# Altium PCB AL115v20_pcb.PcbDoc (part 1 of 2) (continued)
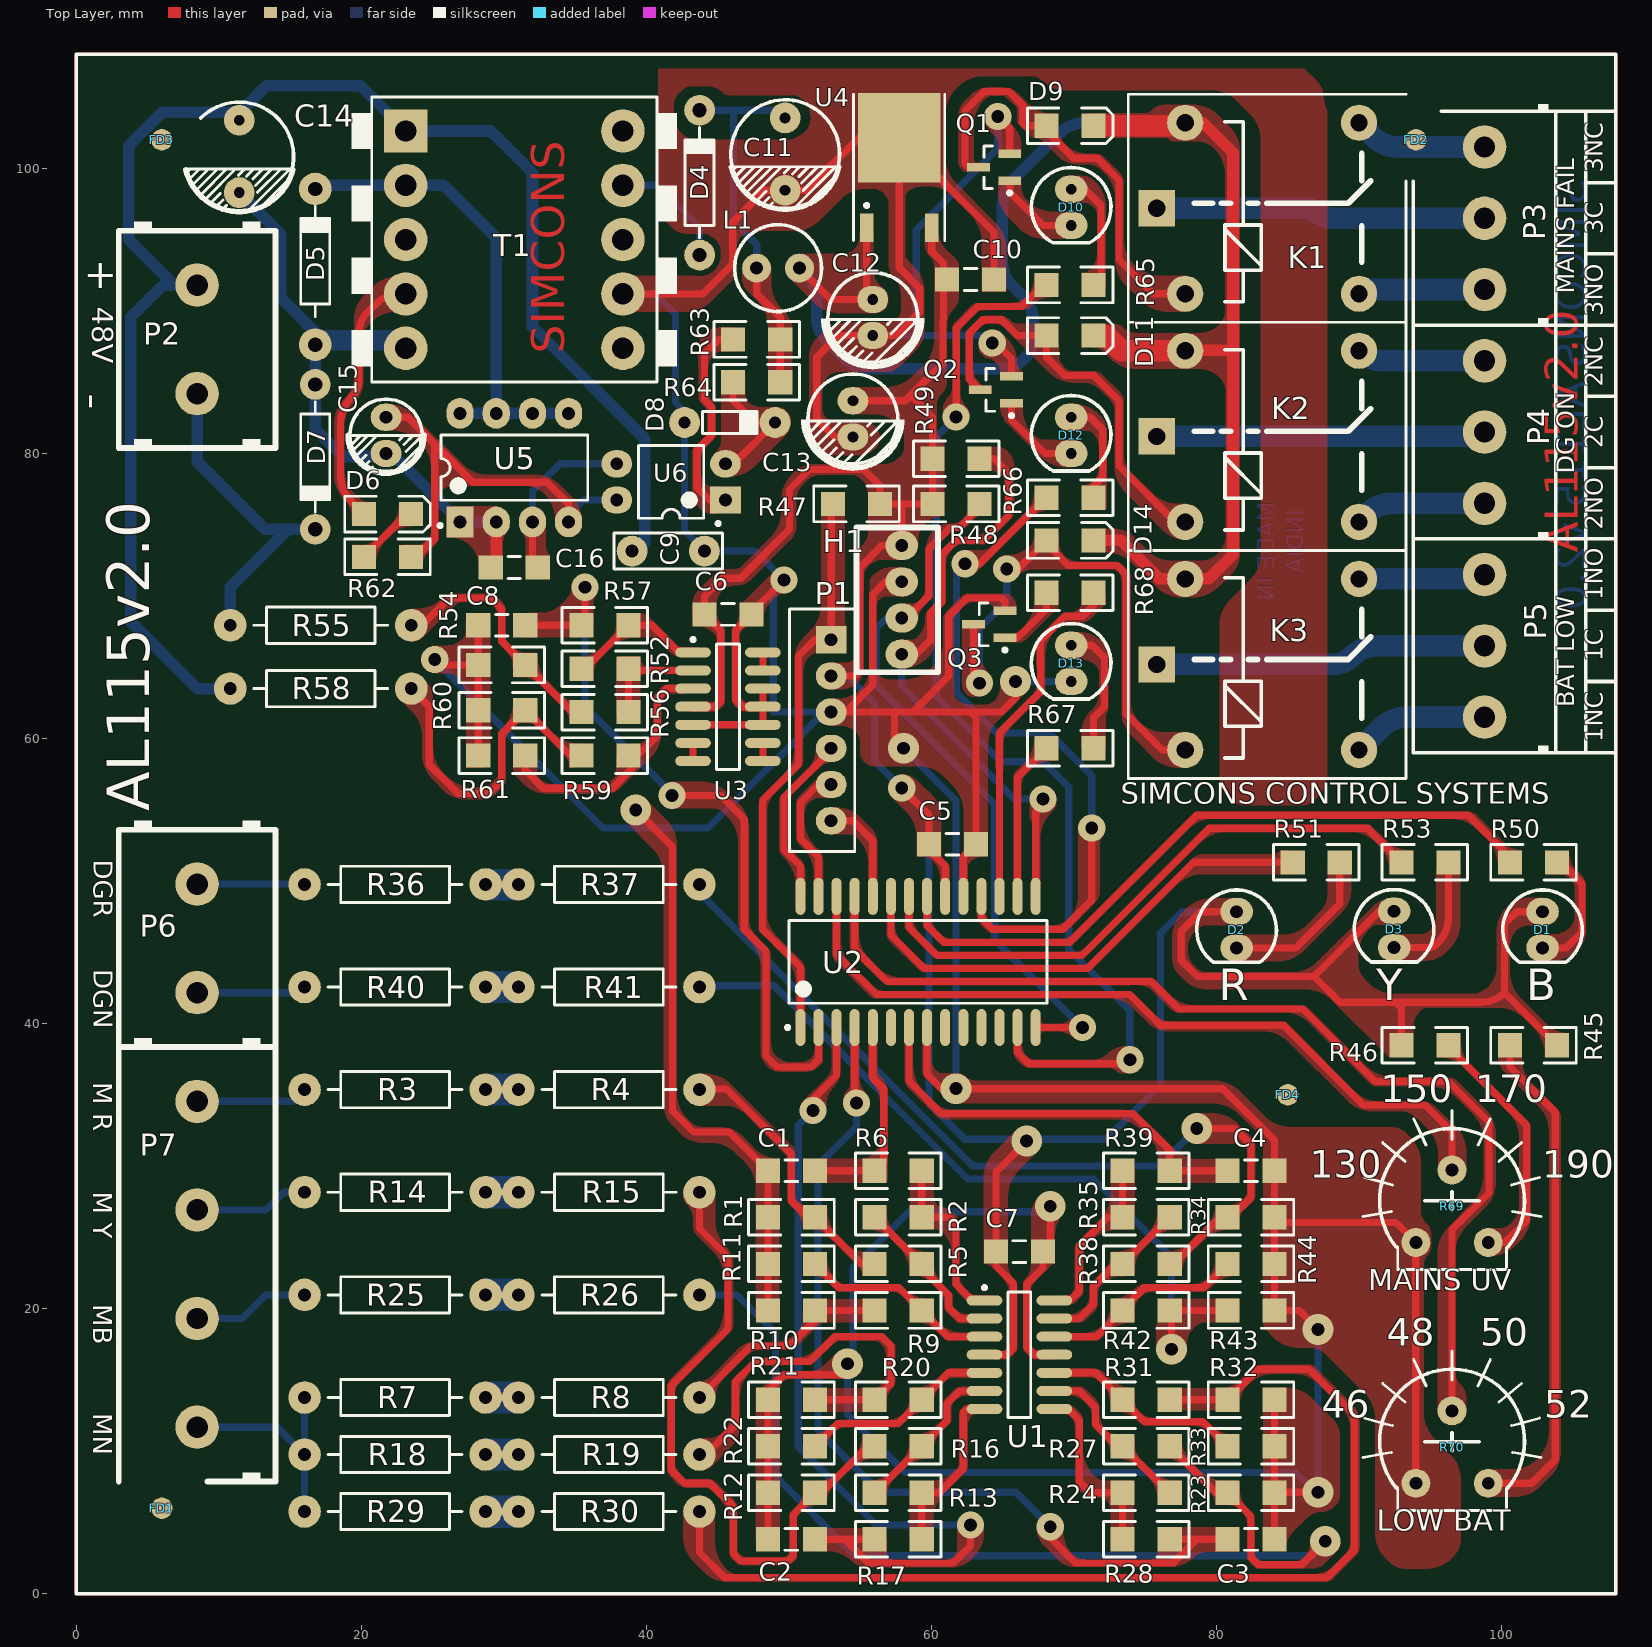
[diagram p0: Top Layer view]
## Footprints (in the part's own frame and the unit in brackets; to place one, negate y for a bottom-side part, rotate by r counter-clockwise, add the part's x,y. Pads: shape width x height; smd on the part's side, far side on the other; paste and mask are expansions set on the pad) (continued)
RELAY [mm] "SPDT RELAY"
  rect 2.54x2.54 hole 1.2: 1(-2,6)
  round 2.54 hole 1.2: 2(12.2,12) 3(12.2,0) 4(0,12) 5(0,0)
  silkscreen extent -4,-2 15.5,14, body extent -3.81,-1.7 15.19,13.8, height 15.53
SOIC14_M [mm] "SOIC, 14-Leads, Body 8.7x3.9mm, Pitch 1.27mm, IPC Low Density"
  oval 2.5x0.7 smd: 1(-2.45,3.81) 2(-2.45,2.54) 3(-2.45,1.27) 4(-2.45,0) 5(-2.45,-1.27) 6(-2.45,-2.54) 7(-2.45,-3.81) 8(2.45,-3.81) 9(2.45,-2.54) 10(2.45,-1.27) 11(2.45,0) 12(2.45,1.27) 13(2.45,2.54) 14(2.45,3.81)
  silkscreen extent -2.57,-4.4 0.8,4.83, body extent -2.92,-4.28 2.88,4.27, height 1.75
SOIC-SO28_M [mm] "SOIC, 28-Leads, Body 17.9x7.5mm, Pitch 1.27mm, IPC Low Density"
  oval 2.6x0.7 smd: 1(-4.6,8.255) 2(-4.6,6.985) 3(-4.6,5.715) 4(-4.6,4.445) 5(-4.6,3.175) 6(-4.6,1.905) 7(-4.6,0.635) 8(-4.6,-0.635) 9(-4.6,-1.905) 10(-4.6,-3.175) 11(-4.6,-4.445) 12(-4.6,-5.715) 13(-4.6,-6.985) 14(-4.6,-8.255) 15(4.6,-8.255) 16(4.6,-6.985) 17(4.6,-5.715) 18(4.6,-4.445) 19(4.6,-3.175) 20(4.6,-1.905) 21(4.6,-0.635) 22(4.6,0.635) 23(4.6,1.905) 24(4.6,3.175) 25(4.6,4.445) 26(4.6,5.715) 27(4.6,6.985) 28(4.6,8.255)
  silkscreen extent -4.72,-9.05 2.9,9.28, body extent -5.15,-8.95 5.15,8.95, height 2.65
SOT23_M [mm] "SOT23, 3-Leads, Body 2.9x1.3mm, Pitch 0.95mm, Lead Span 2.3mm, IPC Low Density"
  rect 1.6x0.6 smd: 1(-1.1,0.95) 2(-1.1,-0.95) 3(1.1,0)
  silkscreen extent -1.23,-1.5 0.7,1.92, body extent -1.25,-1.5 1.25,1.5, height 1.09
TO252AA [mm] "PowerFLEX (D-PAK/TO-252-AA); 3 Leads (1 Cropped); Body 9.7 (inc. leads) x 6.2 mm (LxW max)"
  rect 0.95x2 smd: 1(-2.285,-3.15) 3(2.285,-3.15)
  rect 5.8x6.3 smd: 4(0,3.15)
  silkscreen extent -3.2,-4.05 3.2,6.2, body extent -3.3,-3.58 3.28,6.12, height 2.3
XY128_5.08_3PIN [mil]
  round 120 hole 59.06: 1(-196.85,0) 2(0,0) 3(196.85,0)
  silkscreen extent -315,-161 295,197, body extent -301,-187 321,187, height 595
XY7501_7.62_2PIN [mil] "2 pin xy connector 440V"
  round 120 hole 59.06: 1(0,150) 2(0,-150)
  silkscreen extent -217,-325 217,300, body extent -223,-323 218,299, height 725
XY7501_7.62_4PIN [mil] "2 pin xy connector 440V"
  round 120 hole 59.06: 1(0,150) 2(0,-150) 3(0,-450) 4(0,-750)
  silkscreen extent -217,-925 217,300, body extent -223,-923 218,299, height 725

## Part data
C1 C2 C3 C4 C11 C12 C13 C14 C15: library part "Cap Pol1", "Polarized Capacitor (Radial)", LatestRevisionDate=17-Jul-2002, LatestRevisionNote="Re-released for DXP Platform.", PackageDescription="Polarized Capacitor (Radial); 2 Leads", PackageReference=RB7.6-15, Published=8-Jun-2000, Publisher="Altium Limited"
C5 C6 C7 C8 C9 C10 C16: library part Cap, "Capacitor", LatestRevisionDate=17-Jul-2002, LatestRevisionNote="Re-released for DXP Platform.", PackageDescription="Radial Cap, Thru-Hole; 2 Leads; 0.3 in Pin Spacing", PackageReference=RAD-0.3, Published=8-Jun-2000, Publisher="Altium Limited"
D1 D2 D3 D10 D12 D13: library part LED1, "Typical RED GaAs LED", LatestRevisionDate=08-Jul-2005, LatestRevisionNote="Mech Layer 1 removed.", PackageDescription="LED; 2 Leads", PackageReference=LED-1, Published=8-Jun-2000, Publisher="Altium Limited"
D4 D5 D6 D7 D9 D11 D14: library part Diode, "Default Diode", Code_JEDEC=DO-214-AB, LatestRevisionDate=17-Jul-2002, LatestRevisionNote="Re-released for DXP Platform.", PackageDescription="DO-214-AB/SMC; 2 C-Bend Leads; Body 7.9 x 5.9 mm, inc. leads (LxW)", PackageReference=SMC, PackageVersion=Sep-1996, Published=8-Jun-2000, Publisher="Altium Limited"
D8: library part "D Zener", "Zener Diode", LatestRevisionDate=17-Jul-2002, LatestRevisionNote="Re-released for DXP Platform.", PackageDescription="Diode, Thru-Hole; 2 Leads; 0.7 in Pin Spacing", PackageReference=DIODE-0.7, Published=8-Jun-2000, Publisher="Altium Limited"
FD1 FD2 FD3 FD4: library part "FIDUCIAL ROUND", "Fiducial - Round 1.5mm Top-Bottom", Category=Graphic-PCB, Status=Unreleased
H1: "Header, 4-Pin", LatestRevisionDate=17-Jul-2002, LatestRevisionNote="Re-released for DXP Platform.", Publisher="Altium Limited"
K1 K2 K3: "SPDT Relay", LatestRevisionDate=17-Jul-2002, LatestRevisionNote="Re-released for DXP Platform.", PackageReference=MODULE5B, Published=8-Jun-2000, Publisher="Altium Limited"
L1: library part Inductor, "Inductor", Code_IEC=1005, Code_JEITA=0402, LatestRevisionDate=29-May-2009, LatestRevisionNote="IPC-7351 Footprint Added.", PackageDescription="Chip Inductor", PackageReference=0402-A, Published=8-Jun-2000, Publisher="Altium Limited"
P1: library part "Header 6", "Header, 6-Pin", LatestRevisionDate=17-Jul-2002, LatestRevisionNote="Re-released for DXP Platform.", Publisher="Altium Limited"
P2 P6: library part "Header 2", "Header, 2-Pin", LatestRevisionDate=17-Jul-2002, LatestRevisionNote="Re-released for DXP Platform.", Publisher="Altium Limited"
P3 P4 P5: library part "Header 3", "Header, 3-Pin", LatestRevisionDate=17-Jul-2002, LatestRevisionNote="Re-released for DXP Platform.", Publisher="Altium Limited"
P7: library part "Header 4", "Header, 4-Pin", LatestRevisionDate=17-Jul-2002, LatestRevisionNote="Re-released for DXP Platform.", Publisher="Altium Limited"
Q1 Q2 Q3: library part BC847, "NPN General-purpose Transistor", ComponentLink1Description="Manufacturer Link", ComponentLink1URL=http://www.semiconductors.philips.com/, ComponentLink2Description=Datasheet, ComponentLink2URL=http://www.semiconductors.philips.com/acrobat/datasheets/BC846_BC847_BC848_5.pdf, DatasheetVersion=4-Feb-2002, LatestRevisionDate=12-Dec-2006, LatestRevisionNote="IPC-7351 Footprint Added.", PackageDescription="3-Pin SOT-23 Package 0.95 mm Pitch, 2.3 mm Lead Span", PackageReference=SOT23, PackageVersion=May-1999, Published=17-Sep-2003, Publisher="Altium Limited"
R1 R2 R3 R4 R5 R6 R7 R8 R9 R10 R11 R12 R13 R14 R15 R16 R17 R18 R19 R20 R21 R22 R23 R24 R25 R26 R27 R28 R29 R30 R31 R32 R33 R34 R35 R36 R37 R38 R39 R40 R41 R42 R43 R44 R47 R48 R49 R52 R54 R55 R56 R57 R58 R59 R60 R61 R62 R65 R66 R67 R68: library part "Res Semi", "Semiconductor Resistor", LatestRevisionDate=17-Jul-2002, LatestRevisionNote="Re-released for DXP Platform.", PackageDescription="Axial Device, Thru-Hole; 2 Leads; 0.5 in Pin Spacing", PackageReference=AXIAL-0.5, Published=8-Jun-2000, Publisher="Altium Limited"
R45 R46: library part "Res SMT", "Semiconductor Resistor", LatestRevisionDate=17-Jul-2002, LatestRevisionNote="Re-released for DXP Platform.", PackageDescription="Axial Device, Thru-Hole; 2 Leads; 0.5 in Pin Spacing", PackageReference=AXIAL-0.5, Published=8-Jun-2000, Publisher="Altium Limited"
R50 R51 R53: library part "Res .4", "Semiconductor Resistor", LatestRevisionDate=17-Jul-2002, LatestRevisionNote="Re-released for DXP Platform.", PackageDescription="Axial Device, Thru-Hole; 2 Leads; 0.5 in Pin Spacing", PackageReference=AXIAL-0.5, Published=8-Jun-2000, Publisher="Altium Limited"
R63 R64: library part Res1, "Resistor", LatestRevisionDate=17-Jul-2002, LatestRevisionNote="Re-released for DXP Platform.", PackageDescription="Axial Device, Thru-Hole; 2 Leads; 0.3 in Pin Spacing", PackageReference=AXIAL-0.3, Published=8-Jun-2000, Publisher="Altium Limited"
R69 R70: library part "Res Tap", "Tapped Resistor", LatestRevisionDate=17-Jul-2002, LatestRevisionNote="Re-released for DXP Platform.", PackageDescription="Variable Resistor, Thru-Hole; 3 Leads", PackageReference=VR3, Published=24-Mar-1999, Publisher="Altium Limited", Set Position=0.5, Sim Note="Enter the Resistance value and the set point into parameter fields."
T1: library part TransSwitching, "Three-winding Transformer (Switching", LatestRevisionDate=17-Jul-2002, LatestRevisionNote="Re-released for DXP Platform.", PackageDescription="Transformer; 6 Leads", PackageReference=TRF_6, Published=25-Jan-2001, Publisher="Altium Limited", Sim Note="Enter the turns ratios, Core loss resistance, Magnetising Reactance, Leakage Reactances and Resistances referred to the primary side into the parameter fields."
U1 U3: "Quadruple Operational Amplifier", Code_IPC=SOIC127P600-14, ComponentLink1Description="Manufacturer Link", ComponentLink1URL=http://www.ti.com/, ComponentLink2Description=Datasheet, ComponentLink2URL=http://www-s.ti.com/sc/ds/lm324.pdf, DatasheetVersion=Feb-1997, LatestRevisionDate=13-Apr-2006, LatestRevisionNote="IPC-7351 Footprint Added.", PackageDescription="14-Pin Small Outline Integrated Circuit 1.27 mm Pitch", PackageReference=D014, PackageVersion=Jan-1998, Published=16-Jan-2001, Publisher="Altium Limited"
U2: "Flash-Based, 8-Bit CMOS Microcontroller with nanoWatt Technology, 8K (x14-Bit words) Program Memory, 624 Bytes Data Memory, 24 I/O pins, 28-Pin SPDIP, Standard VDD Range, Industrial Temperature", Supplier Part Number 1=PIC16F886-I/SP-ND, ComponentLink1Description=Datasheet, ComponentLink1URL=http://ww1.microchip.com/downloads/en/DeviceDoc/41291F.pdf, ComponentLink2Description="Packaging Specification", ComponentLink2URL=http://www.microchip.com/stellent/groups/techpub_sg/documents/packagingspec/en012702.pdf, ComponentLink3Description="Microchip.com Home", ComponentLink3URL=http://www.microchip.com/, DatasheetVersion="revF, Apr-2009", LatestRevisionDate=02-Dec-2009, LatestRevisionNote="Updated datasheet to version revF, Apr-2009.", PackageDescription="28-Lead Skinny Plastic Dual In-Line (SP) - 300 mil Body [SPDIP]", PackageReference=SPDIP300-SP28, PackageVersion="revBB, Aug-2009", Published=29-Jan-2009, Publisher="Altium Limited", Supplier 1=Digi-Key, Supplier 2=Farnell, Supplier Part Number 2=1439539
U4: "Positive-Voltage Regulator", Code_JEDEC=TO-252, ComponentLink1Description="Manufacturer Link", ComponentLink1URL=http://www.ti.com/, ComponentLink2Description=Datasheet, ComponentLink2URL=http://www-s.ti.com/sc/ds/ua78m05.pdf, DatasheetVersion=Jul-1999, Note="Pin 2 is electrically connected to pin4, and not drawn.", PackageDescription="PowerFLEX (D-PAK/TO-252-AA); 3 Leads (1 Cropped); Body 9.7 (inc. leads) x 6.2 mm (LxW max)", PackageReference=KTP02, PackageVersion=Jan-2001, Published=15-Apr-2002, Publisher="Altium Limited"
U5: Manufacturer="Power Integrations", PART NAME="Top Switch II Family"
U6: library part Optoisolator1, "4-Pin Phototransistor Optocoupler", DatasheetVersion=Nov-2003, LatestRevisionDate=04-Mar-2005, LatestRevisionNote="Sch pins 3 & 4 Swapped.", PackageReference=DIP-4, Published=24-Mar-1999, Publisher="Altium Limited"

## Via types
v1: diameter 1.905, hole 0.9, Top Layer to Bottom Layer, 19 vias
v2: diameter 2.159, hole 0.9, Top Layer to Bottom Layer, 12 vias

## Nets (pads, with @x,y where several pads share a name; then routed paths per layer and width w, separated by ;. In a path a pad name is that pad's centre, name@x,y a point inside that pad or via, vN(x,y) a via of type N, cw(c..) or ccw(c..) an arc to the next point about the centre after c; other vN are vias at no path point)
+12: C12.1 D9.2 D11.2 D14.2 K1.4 K2.4 K3.4 L1.2 U4.1 | length 119.8
  Top Layer w0.508: L1.2@50.73,93 52.925,90.805 C12.1@55.88,90.805 55.445,91.24 U4.1@55.445,95.85
  Top Layer w0.813: D14.2@71.373,73.897 73.296,73.897 75.993,71.2 K3.4@77.8,71.2 79.455,71.2 81.153,72.898 81.153,87.249 ; K2.4@77.8,87.2 77.849,87.249 81.153,87.249 ; K1.4@77.8,103.2 79.045,103.2 81.153,101.092 81.153,87.249
  Top Layer w1.524: D11.2@71.373,88.265 72.263,88.265 73.328,87.2 K2.4@77.8,87.2 ; D9.2@71.373,102.997 77.597,102.997 K1.4@77.8,103.2
  Bottom Layer w0.813: L1.2@50.73,93 51.199,92.531 cw(c49.403,90.735) 51.943,90.735 51.943,89.622 ccw(c54.483,89.622) 52.687,87.826 53.841,86.672 ccw(c55.637,88.468) 55.637,85.928 64.759,85.928 ccw(c64.759,88.468) 66.555,86.672 ccw(c65.163,88.065) 67.132,88.065 67.132,89.27 ccw(c64.592,89.27) 66.388,91.066 65.634,91.821 cw(c67.228,93.415) 64.973,93.415 64.973,97.398 cw(c67.513,97.398) 65.717,99.194 68.979,102.456 cw(c70.775,100.66) 70.775,103.2 K1.4@77.8,103.2
+VIN: C9.2 C14.1 P2.2 R58.2 T1.1 | length 109.8
  Bottom Layer w0.813: P2.2@8.476,91.81 6.869,91.81 ; R58.2@10.795,63.5 8.5,63.5 3.81,68.19 3.81,89.535 6.085,91.81 6.869,91.81 ; C9.2@39.19,73 39.878,73.688 39.878,81.026 32.004,88.9 32.004,99.695 29.079,102.62 T1.1@23.11,102.62 19.939,105.791 13.335,105.791 11.484,103.94 6.023,103.94 3.683,101.6 3.683,94.996 6.869,91.81
-VIN: D7.2 P2.1 R55.2 | length 23.4
  Bottom Layer w0.813: P2.1@8.476,84.19 8.476,79.408 13.208,74.676 14.859,74.676 ; R55.2@10.795,67.945 10.795,70.612 14.859,74.676 ; D7.2@16.764,74.676 14.859,74.676
AN_ADJ_BAT: R69.2 U2.26 | length 55.1
  Top Layer w0.508: U2.26@53.34,48.923 53.34,44.831 56.134,42.037 73.914,42.037 76.073,39.878 84.709,39.878 90.297,34.29 94.615,34.29 96.52,32.385 R69.2@96.52,29.718
AN_ADJ_UV: R70.2 U2.25 | length 74.6
  Top Layer w0.508: U2.25@54.61,48.923 54.61,45.212 56.871,42.951 75.413,42.951 77.343,41.021 86.055,41.021 91.135,35.941 96.266,35.941 99.111,33.096 99.111,28.118 96.52,25.527 R70.2@96.52,12.827
AN_BTSVOLT: C8.2 R57.2 U2.2 | length 53.1
  Top Layer w0.508: C8.2@31.495,67.945 35.052,67.945 35.687,68.58 v1(35.687,70.612) ; v1(41.783,56.007) 45.212,56.007 46.863,54.356 46.863,46.609 48.387,45.085 48.387,37.719 49.149,36.957 51.562,36.957 52.07,37.465 U2.2@52.07,39.723
  Bottom Layer w0.508: v1(35.687,70.612) 35.687,62.23 v1@41.846,56.07
AN_DGR_O: C4.1 R39.1 U2.7 | length 29.6
  Top Layer w0.508: U2.7@58.42,39.723 58.42,35.966 60.706,33.68 74.143,33.68 76.707,31.116 R39.1@76.707,29.67 C4.1@80.765,29.67
AN_EBB: C3.1 R28.1 U2.4 | length 65
  Top Layer w0.508: U2.4@54.61,39.723 54.61,34.544 v1(54.737,34.417) ; v1(68.326,4.699) 68.326,3.937 70.104,2.159 76.962,2.159 78.613,3.81 ; R28.1@76.707,3.81 78.613,3.81 ; C3.1@80.765,3.81 78.613,3.81
  Bottom Layer w0.508: v1(54.737,34.417) 54.737,32.766 52.045,30.074 52.045,11.455 56.388,7.112 65.913,7.112 v1(68.326,4.699)
AN_EBR: C1.1 R6.1 U2.5 | length 14.8
  Top Layer w0.508: C1.1@51.823,29.67 R6.1@56.008,29.67 56.642,30.304 56.642,35.433 55.88,36.195 U2.5@55.88,39.723
AN_EBY: C2.1 R17.1 U2.3 | length 60.5
  Top Layer w0.508: v1(51.689,33.909) 51.689,34.696 53.34,36.347 U2.3@53.34,39.723 ; C2.1@51.823,3.81 53.916,3.81 ; R17.1@56.008,3.81 53.916,3.81 ; v1(62.738,4.826) 62.738,3.353 61.544,2.159 55.567,2.159 53.916,3.81
  Bottom Layer w0.508: v1(51.689,33.909) 50.648,32.868 50.648,10.312 56.134,4.826 v1(62.738,4.826)
D: D5.2 T1.2 U5.5 U5.6 U5.7 U5.8 | length 34.2
  Bottom Layer w0.813: D5.2@16.764,98.552 cw(c17.387,97.929) 17.387,98.81 T1.2@23.11,98.81 25.777,98.81 29.46,95.127 U5.7@29.46,82.81 ; U5.8@26.92,82.81 U5.7@29.46,82.81 ; U5.5@34.54,82.81 U5.6@32,82.81 U5.7@29.46,82.81
DGN: P6.1 R40.1 | length 7.7
  Bottom Layer w0.508: P6.1@8.476,42.164 15.617,42.164 R40.1@16.015,42.562
DGR: P6.2 R36.1 | length 7.5
  Bottom Layer w0.508: P6.2@8.476,49.784 15.993,49.784 R36.1@16.015,49.762
EBB: P7.2 R25.1 | length 8.2
  Bottom Layer w0.508: P7.2@8.476,19.304 11.633,19.304 13.291,20.962 R25.1@16.015,20.962
EBN: P7.1 R7.1 R18.1 R29.1 | length 16.3
  Bottom Layer w0.508: P7.1@8.476,11.684 14.093,11.684 R18.1@16.015,9.762 ; R29.1@16.015,5.762 R18.1@16.015,9.762 ; R7.1@16.015,13.762 R18.1@16.015,9.762
EBR: P7.4 R3.1 | length 7.9
  Bottom Layer w0.508: P7.4@8.476,34.544 15.197,34.544 R3.1@16.015,35.362
EBY: P7.3 R14.1 | length 8.1
  Bottom Layer w0.508: P7.3@8.476,26.924 13.31,26.924 14.548,28.162 R14.1@16.015,28.162
GND: C1.2 C2.2 C3.2 C4.2 C5.1 C6.1 C7.1 C8.1 C9.1 C10.1 C11.2 C12.2 C13.2 D8.1 D13.2 H1.3 P1.3 Q1.2 Q2.2 Q3.2 R1.2 R10.2 R11.2 R12.2 R21.2 R22.2 R23.2 R32.2 R33.2 R34.2 R43.2 R44.2 R54.1 R60.2 R61.2 R69.3 R70.3 T1.7 U1.11 U2.8 U2.19 U3.5 U3.10 U3.11 U3.12 U4.4 | length 524.3
  Top Layer w0.508: v1(25.146,65.532) 25.514,65.164 R54.1@28.195,65.164 ; R61.2@28.195,58.801 R60.2@28.195,61.982 R54.1@28.195,65.164 ; C8.1@28.195,67.945 R54.1@28.195,65.164 ; T1.7@38.35,91.19 43.946,91.19 46.054,93.298 46.054,96.219 48.295,98.46 C11.2@49.73,98.46 51.216,98.46 54.906,102.15 U4.4@57.73,102.15 ; v2(39.243,54.991) 41.834,52.4 41.834,33.858 43.307,32.385 45.808,32.385 C1.2@48.523,29.67 R1.2@48.523,26.404 R11.2@48.523,23.139 R10.2@48.523,19.873 ; U3.5@43.27,60.96 U3.10@48.17,60.96 U3.11@48.17,62.23 ; U3.12@48.17,63.5 U3.11@48.17,62.23 ; C2.2@48.523,3.81 R12.2@48.523,7.076 R22.2@48.523,10.341 R21.2@48.523,13.607 48.523,14.233 49.657,15.367 54.102,15.367 v2(54.102,16.129) ; v1(49.657,71.12) 47.37,68.833 C6.1@47.37,68.707 46.26,67.597 46.26,62.706 46.736,62.23 U3.11@48.17,62.23 ; P1.3@52.959,61.849 P1.3@53.975,61.849 ; C13.2@54.483,81.153 53.213,81.153 51.943,82.423 51.943,86.741 53.467,88.265 C12.2@55.88,88.265 57.531,88.265 59.182,89.916 59.182,91.567 57.73,93.019 U4.4@57.73,102.15 ; H1.3@57.912,70.231 H1.3@58.166,70.231 ; H1.3@57.912,70.993 56.769,70.993 55.88,70.104 55.88,63.754 P1.3@53.975,61.849 ; v2(58.039,59.309) 57.404,59.944 57.404,61.849 ; U2.8@59.69,39.723 59.69,36.449 60.706,35.433 v2(61.722,35.433) 80.442,35.433 84.065,31.81 C4.2@84.065,29.67 R34.2@84.065,26.404 R34.2@84.065,26.035 ; U2.19@62.23,48.923 62.23,51.69 C5.1@63.118,52.578 63.118,61.469 62.738,61.849 ; v1(64.262,87.757) 64.516,87.757 65.616,86.657 Q2.2@65.616,85.405 ; C10.1@64.388,91.821 C10.1@64.388,92.202 64.388,95.505 57.743,102.15 U4.4@57.73,102.15 ; v1(64.643,103.632) 65.489,102.786 Q1.2@65.489,101.026 ; Q3.2@65.151,68.956 65.151,69.596 64.897,69.85 62.484,69.85 61.214,68.58 61.214,64.389 58.674,61.849 ; v2(65.901,63.996) 65.901,62.853 64.897,61.849 62.738,61.849 ; v2(68.326,27.178) 68.326,24.509 C7.1@67.817,24 67.817,22.859 66.675,21.717 66.675,17.297 67.208,16.764 U1.11@68.617,16.764 ; C3.2@84.065,3.81 R23.2@84.065,7.076 ; R32.2@84.065,13.607 R33.2@84.065,10.341 R23.2@84.065,7.076 ; v2(87.122,7.112) 84.101,7.112 R23.2@84.065,7.076 ; v2(87.122,18.542) 85.791,19.873 R43.2@84.065,19.873 R44.2@84.065,23.139 R34.2@84.065,26.035 ; R70.3@93.98,7.747 R69.3@93.98,24.638 92.583,26.035 R34.2@84.065,26.035 ; P1.3@53.975,61.849 57.404,61.849 ; 57.404,61.849 58.674,61.849 ; 58.674,61.849 62.738,61.849
  Bottom Layer w0.508: v1(25.146,65.532) 36.957,53.721 39.624,53.721 ; T1.7@38.35,91.19 40.636,91.19 42.037,89.789 42.037,83.566 D8.1@43.434,82.169 ; v2(39.243,54.991) 39.624,54.61 39.624,53.721 ; D8.1@42.672,82.169 42.672,74.598 C9.1@44.118,73.152 ; C9.1@44.069,73.152 C9.1@44.118,73.152 ; P1.3@52.959,61.849 P1.3@52.451,61.849 ; C12.2@55.88,88.265 58.674,88.265 ; v2(58.039,59.309) 61.722,55.626 v2(61.722,35.433) ; v1(64.262,87.757) 63.754,88.265 58.674,88.265 ; v1(64.643,103.632) 64.643,101.397 58.928,95.682 58.928,88.519 58.674,88.265 ; v2(65.901,63.996) D13.2@69.8,63.996 ; v2(68.326,27.178) 67.945,26.797 58.42,26.797 54.483,22.86 54.483,16.51 v2(54.102,16.129) 54.102,12.573 58.166,8.509 85.598,8.509 87.122,6.985 v2(87.122,7.112) v2(87.122,18.542) ; 39.624,53.721 44.323,53.721 P1.3@52.451,61.849 ; C9.1@44.118,73.152 47.625,73.152 v1(49.657,71.12) 48.895,70.358 48.895,61.849 P1.3@52.451,61.849
ICSPCLK: P1.5 U2.27 | length 9.8
  Top Layer w0.508: U2.27@52.07,48.923 52.07,51.689 50.8,52.959 50.8,55.499 52.07,56.769 P1.5@52.959,56.769
ICSPDAT: P1.4 U2.28 | length 12.2
  Top Layer w0.508: U2.28@50.8,48.923 50.8,51.054 49.657,52.197 49.657,55.875 52.959,59.177 P1.4@52.959,59.309
LED_B0: R50.1 U2.21 | length 48.7
  Top Layer w0.508: U2.21@59.69,48.923 59.69,46.863 60.858,45.695 69.698,45.695 78.613,54.61 97.663,54.61 100.585,51.688 R50.1@100.585,51.308
LED_R0: R51.1 U2.23 | length 35
  Top Layer w0.508: U2.23@57.15,48.923 57.15,46.205 59.489,43.866 70.94,43.866 78.382,51.308 R51.1@85.345,51.308
LED_Y0: R53.1 U2.22 | length 42.2
  Top Layer w0.508: U2.22@58.42,48.923 58.42,46.736 60.376,44.78 70.561,44.78 79.477,53.696 90.577,53.696 R53.1@92.965,51.308
M\C\L\R\: P1.1 R47.2 U2.1 | length 40.6
  Top Layer w0.508: U2.1@50.8,39.723 50.8,43.965 48.133,46.632 48.133,55.644 50.673,58.184 50.673,65.786 51.816,66.929 P1.1@52.959,66.929 52.959,76.326 R47.2@53.087,76.454
NetC11_1: C11.1 D4.2 L1.1 R63.2 R64.2 | length 26.7
  Top Layer w0.508: L1.1@47.73,93 47.73,91.208 49.38,89.558 R63.2@49.38,88 R64.2@49.38,85
  Bottom Layer w0.508: D4.2@43.73,104.08 46.101,104.08 ; L1.1@47.73,93 47.73,94.637 46.101,96.266 46.101,104.08 ; C11.1@49.73,103.54 49.19,104.08 46.101,104.08
NetC15_1: C15.1 R62.1 U5.4 U6.4 | length 29.7
  Top Layer w0.508: C15.1@21.73,82.54 23.251,82.54 25.146,80.645 ; R62.1@23.48,72.742 23.847,72.742 25.146,74.041 25.146,80.645 ; U5.4@34.54,75.19 34.54,76.458 33.02,77.978 27.813,77.978 25.146,80.645
  Bottom Layer w0.508: U5.4@34.54,75.19 34.54,75.688 35.582,76.73 U6.4@37.92,76.73
NetC16_1: C16.1 U5.3 U6.3 | length 12.2
  Top Layer w0.508: U5.3@32,75.19 32,72.38 C16.1@32.38,72
  Bottom Layer w0.508: U5.3@32,75.19 32,77.339 33.931,79.27 U6.3@37.92,79.27
NetD1_2: D1.2 R50.2 | length 9
  Top Layer w0.508: D1.2@102.87,45.308 104.541,45.308 105.639,46.406 105.639,49.809 104.14,51.308 R50.2@103.885,51.308
NetD2_2: D2.2 R51.2 | length 11.4
  Top Layer w0.508: D2.2@81.407,45.308 85.567,45.308 88.646,48.387 88.646,51.307 R51.2@88.645,51.308
NetD3_2: D3.2 R53.2 | length 9
  Top Layer w0.508: D3.2@92.456,45.339 94.912,45.339 ccw(c94.912,46.033) 95.402,45.542 95.521,45.661 ccw(c93.725,47.457) 96.265,47.457 R53.2@96.265,51.308
NetD4_1: D4.1 T1.9 | length 8.5
  Bottom Layer w0.508: T1.9@38.35,98.81 40.763,98.81 43.73,95.843 D4.1@43.73,93.92
NetD6_1: D6.1 T1.4 | length 18.3
  Top Layer w0.508: D6.1@20.18,75.742 19.286,76.636 cw(c21.082,78.432) 18.542,78.432 18.542,82.133 cw(c21.082,82.133) 19.286,83.929 19.304,83.947 ccw(c18.078,85.173) 19.812,85.173 19.812,88.383 cw(c21.98,88.383) 20.447,89.916 20.977,90.446 cw(c22.773,88.65) 22.773,91.19 T1.4@23.11,91.19
NetD6_2: D6.2 R62.2 | length 4.5
  Top Layer w0.508: R62.2@20.18,72.742 22.968,75.53 cw(c23.48,75.018) D6.2@23.48,75.742
NetD8_2: D8.2 R64.1 U6.2 | length 9.6
  Top Layer w0.508: U6.2@45.54,79.27 46.123,79.27 D8.2@49.022,82.169 47.625,82.169 46.08,83.714 R64.1@46.08,85
NetD9_1: D9.1 K1.5 Q1.3 | length 30.4
  Top Layer w0.508: Q1.3@63.289,100.076 62.611,100.076 62.357,100.33 62.357,104.038 63.703,105.385 65.43,105.385 66.396,104.419 66.396,103.173 66.571,102.997 D9.1@68.073,102.997 ; D9.1@68.073,102.489 68.199,102.489 69.977,100.711 71.628,100.711 73.152,99.187 73.152,93.599 75.551,91.2 K1.5@77.8,91.2
NetD10_1: D10.1 R65.1 | length 8.3
  Top Layer w0.508: D10.1@69.8,98.536 70.755,98.536 71.882,97.409 71.882,92.33 R65.1@71.373,91.821
NetD10_2: D10.2 Q1.1 | length 6.1
  Top Layer w0.508: Q1.1@65.489,99.126 65.489,98.341 67.834,95.996 D10.2@69.8,95.996
NetD11_1: D11.1 K2.5 Q2.3 | length 29.3
  Top Layer w0.508: Q2.3@63.416,84.455 62.649,85.222 62.649,88.425 63.594,89.37 64.93,89.37 66.035,88.265 D11.1@68.073,88.265 68.073,86.74 69.342,85.471 71.374,85.471 73.152,83.693 73.152,79.121 77.073,75.2 K2.5@77.8,75.2
NetD12_1: D12.1 R66.1 | length 7.6
  Top Layer w0.508: D12.1@69.8,82.536 71.134,82.536 72.009,81.661 72.009,78.359 71.373,77.723 R66.1@71.373,76.897
NetD12_2: D12.2 Q2.1 | length 6.3
  Top Layer w0.508: Q2.1@65.616,83.505 65.616,82.339 67.959,79.996 D12.2@69.8,79.996
NetD13_1: D13.1 R67.2 | length 9.4
  Top Layer w0.508: D13.1@69.8,66.536 71.259,66.536 72.136,65.659 72.136,62.23 71.373,61.467 R67.2@71.373,59.309
NetD14_1: D14.1 K3.5 Q3.3 | length 38.4
  Top Layer w0.508: Q3.3@62.951,68.006 62.951,64.303 v1(63.373,63.881) ; v1(65.278,71.882) 66.058,71.882 D14.1@68.073,73.897 68.073,73.659 69.596,72.136 73.025,72.136 73.66,71.501 73.66,61.722 76.182,59.2 K3.5@77.8,59.2
  Bottom Layer w0.508: v1(63.373,63.881) 63.373,67.716 65.278,69.621 v1(65.278,71.882)
NetK1_1: K1.1 P3.2 | length 23.2
  Bottom Layer w1.524: K1.1@75.8,97.2 86.505,97.2 cw(c86.505,97.046) 86.614,97.155 ccw(c88.195,98.736) 88.195,96.5 P3.2@98.8,96.5
NetK1_2: K1.2 P3.1 | length 9.4
  Bottom Layer w1.524: K1.2@90,103.2 90.956,102.244 ccw(c92.752,104.04) 92.752,101.5 P3.1@98.8,101.5
NetK1_3: K1.3 P3.3 | length 8.9
  Bottom Layer w1.524: K1.3@90,91.2 cw(c90.724,90.476) 90.724,91.5 P3.3@98.8,91.5
NetK2_1: K2.1 P4.2 | length 23.1
  Bottom Layer w1.524: K2.1@75.8,81.2 98.076,81.2 ccw(c98.076,82.224) P4.2@98.8,81.5
NetK2_2: K2.2 P4.1 | length 9
  Bottom Layer w1.524: K2.2@90,87.2 ccw(c91.69,88.89) 91.69,86.5 P4.1@98.8,86.5
NetK2_3: K2.3 P4.3 | length 9.2
  Bottom Layer w1.524: K2.3@90,75.2 90.556,75.756 cw(c92.352,73.96) 92.352,76.5 P4.3@98.8,76.5
NetK3_1: K3.1 P5.2 | length 23.3
  Bottom Layer w1.524: K3.1@75.8,65.2 88.12,65.2 ccw(c88.12,67.201) 89.535,65.786 cw(c91.259,64.062) 91.259,66.5 P5.2@98.8,66.5
NetK3_2: K3.2 P5.1 | length 8.9
  Bottom Layer w1.524: K3.2@90,71.2 98.076,71.2 ccw(c98.076,72.224) P5.1@98.8,71.5
NetK3_3: K3.3 P5.3 | length 9.6
  Bottom Layer w1.524: K3.3@90,59.2 91.556,60.756 cw(c93.352,58.96) 93.352,61.5 P5.3@98.8,61.5
NetQ3_1: Q3.1 R68.1 | length 4.9
  Top Layer w0.508: Q3.1@65.151,67.056 66.04,67.056 68.073,69.089 R68.1@68.073,70.231
NetR1_1: R1.1 R4.2 R5.2 | length 19.5
  Top Layer w0.508: R4.2@43.715,35.017 44.106,35.408 45.618,35.408 50.165,30.861 50.165,27.559 51.32,26.404 R1.1@51.823,26.404 55.089,23.139 R5.2@56.008,23.139
NetR2_1: R2.1 R6.2 U1.1 | length 12.5
  Top Layer w0.508: R6.2@59.308,29.67 R2.1@59.308,26.404 61.226,26.404 61.722,25.908 61.722,21.717 62.865,20.574 U1.1@63.717,20.574
NetR2_2: R2.2 R5.1 U1.2 | length 11.3
  Top Layer w0.508: R2.2@56.008,26.404 59.274,23.139 R5.1@59.308,23.139 59.308,22.861 60.808,21.361 60.808,21.338 61.214,20.932 61.214,20.066 61.976,19.304 U1.2@63.717,19.304
NetR3_2: R3.2 R4.1 | length 2.3
  Bottom Layer w0.508: R3.2@28.715,35.362 R4.1@31.015,35.362
NetR7_2: R7.2 R8.1 | length 2.3
  Bottom Layer w0.508: R7.2@28.715,13.762 R8.1@31.015,13.762
NetR8_2: R8.2 R9.2 R10.1 | length 15.3
  Top Layer w0.508: R8.2@43.715,13.762 47.327,17.374 50.013,17.374 51.943,19.304 51.943,19.753 R10.1@51.823,19.873 R9.2@56.008,19.873
NetR9_1: R9.1 R11.1 U1.3 | length 14
  Top Layer w0.508: R11.1@51.823,23.139 53.499,21.463 57.718,21.463 R9.1@59.308,19.873 61.147,18.034 U1.3@63.717,18.034
NetR12_1: R12.1 R15.2 R16.2 | length 44.7
  Top Layer w0.508: 43.715,27.017 43.715,25.627 45.72,23.622 45.72,18.567 41.732,14.58 41.732,8.687 42.672,7.747 44.45,7.747 46.101,6.096 46.101,2.794 46.595,2.3 49.925,2.3 50.292,2.667 50.292,5.545 R12.1@51.823,7.076 52.288,7.076 55.553,10.341 R16.2@56.008,10.341
NetR13_1: R13.1 R17.2 U1.7 | length 12.4
  Top Layer w0.508: R17.2@59.308,3.81 R13.1@59.308,7.076 60.543,7.076 62.23,8.763 62.23,12.7 62.484,12.954 U1.7@63.717,12.954
NetR13_2: R13.2 R16.1 U1.6 | length 11.4
  Top Layer w0.508: R13.2@56.008,7.076 56.042,7.076 R16.1@59.308,10.341 61.087,12.12 61.087,13.335 61.976,14.224 U1.6@63.717,14.224
NetR14_2: R14.2 R15.1 | length 2.3
  Bottom Layer w0.508: R14.2@28.715,28.162 R15.1@31.015,28.162
NetR18_2: R18.2 R19.1 | length 2.3
  Bottom Layer w0.508: R18.2@28.715,9.762 R19.1@31.015,9.762
NetR19_2: R19.2 R20.2 R21.1 | length 27.4
  Top Layer w0.508: R19.2@43.715,9.762 44.179,9.762 46.228,11.811 46.228,14.859 47.65,16.281 51.46,16.281 53.213,18.034 56.515,18.034 57.15,17.399 57.15,14.749 R20.2@56.008,13.607 R21.1@51.823,13.607
NetR20_1: R20.1 R22.1 U1.5 | length 14
  Top Layer w0.508: R22.1@51.823,10.341 53.42,11.938 57.658,11.938 59.308,13.588 R20.1@59.308,13.607 61.195,15.494 U1.5@63.717,15.494
NetR23_1: R23.1 R26.2 R27.2 | length 74.5
  Top Layer w0.508: R27.2@76.707,10.341 79.973,7.076 R23.1@80.765,7.076 82.423,5.418 82.423,2.54 82.931,2.032 85.979,2.032 v2(87.63,3.683)
  Bottom Layer w0.508: R26.2@43.715,20.955 46.355,20.955 49.047,18.263 49.047,8.23 54.61,2.667 86.614,2.667 v2(87.63,3.683)
NetR24_1: R24.1 R28.2 U1.8 | length 13
  Top Layer w0.508: U1.8@68.617,12.954 69.596,12.954 70.358,12.192 70.358,7.874 71.156,7.076 R24.1@73.407,7.076 R28.2@73.407,3.81
NetR24_2: R24.2 R27.1 U1.9 | length 11.8
  Top Layer w0.508: U1.9@68.617,14.224 70.358,14.224 71.501,13.081 71.501,11.862 72.695,10.668 73.08,10.668 R27.1@73.407,10.341 76.673,7.076 R24.2@76.707,7.076
NetR25_2: R25.2 R26.1 | length 2.3
  Bottom Layer w0.508: R25.2@28.715,20.962 R26.1@31.015,20.962
NetR29_2: R29.2 R30.1 | length 2.3
  Bottom Layer w0.508: R29.2@28.715,5.762 R30.1@31.015,5.762
NetR30_2: R30.2 R31.2 R32.1 | length 75
  Top Layer w0.508: R30.2@43.715,5.762 43.715,2.894 45.491,1.118 87.732,1.118 89.662,3.048 89.662,12.573 86.487,15.748 82.906,15.748 R32.1@80.765,13.607 R31.2@76.707,13.607
NetR31_1: R31.1 R33.1 U1.10 | length 14.3
  Top Layer w0.508: U1.10@68.617,15.494 71.52,15.494 R31.1@73.407,13.607 74.949,12.065 79.041,12.065 R33.1@80.765,10.341
NetR34_1: R34.1 R37.2 R38.2 | length 60
  Top Layer w0.508: R38.2@76.707,23.139 76.987,23.139 80.252,26.404 R34.1@80.765,26.404 81.014,26.404 82.423,27.813 82.423,31.496 81.28,32.639 v2(78.613,32.639)
  Bottom Layer w0.508: R37.2@43.815,49.657 43.815,49.093 62.898,30.01 75.984,30.01 v2(78.613,32.639)
NetR35_1: R35.1 R39.2 U1.14 | length 12.3
  Top Layer w0.508: U1.14@68.617,20.574 69.723,20.574 70.358,21.209 70.358,24.384 72.378,26.404 R35.1@73.407,26.404 R39.2@73.407,29.67
NetR35_2: R35.2 R38.1 U1.13 | length 11.8
  Top Layer w0.508: U1.13@68.617,19.304 70.358,19.304 71.349,20.295 71.349,21.565 72.923,23.139 R38.1@73.407,23.139 73.441,23.139 R35.2@76.707,26.404
NetR36_2: R36.2 R37.1 | length 2.3
  Bottom Layer w0.508: R36.2@28.715,49.762 R37.1@31.015,49.762
NetR40_2: R40.2 R41.1 | length 2.3
  Bottom Layer w0.508: R40.2@28.715,42.562 R41.1@31.015,42.562
NetR41_2: R41.2 R42.2 R43.1 | length 54.7
  Top Layer w0.508: v2(76.835,17.145) 76.835,19.745 R42.2@76.707,19.873 R43.1@80.765,19.873
  Bottom Layer w0.508: R41.2@43.715,41.762 44.6,42.647 48.968,42.647 62.519,29.096 71.361,29.096 76.835,23.622 v2(76.835,17.145)
NetR42_1: R42.1 R44.1 U1.12 | length 14.3
  Top Layer w0.508: U1.12@68.617,18.034 71.568,18.034 R42.1@73.407,19.873 73.407,19.94 74.93,21.463 79.089,21.463 R44.1@80.765,23.139
NetR45_1: R45.1 R70.1 | length 35.8
  Top Layer w0.508: R70.1@99.06,7.747 102.108,7.747 103.759,9.398 103.759,33.782 100.585,36.956 R45.1@100.585,38.481
NetR46_1: R46.1 R69.1 | length 17.9
  Top Layer w0.508: R46.1@96.265,38.481 96.265,38.355 101.752,32.868 101.752,26.187 100.203,24.638 R69.1@99.06,24.638
NetR52_1: R52.1 R57.1 U3.1 | length 9.9
  Top Layer w0.508: R52.1@35.434,64.897 35.686,64.897 R57.1@38.734,67.945 40.386,67.945 42.291,66.04 U3.1@43.27,66.04
NetR52_2: R52.2 R56.1 U3.2 | length 7.6
  Top Layer w0.508: R56.1@38.734,61.849 R52.2@38.734,64.897 38.861,64.77 U3.2@43.27,64.77
NetR54_2: R54.2 R55.1 R56.2 | length 17.4
  Top Layer w0.508: R55.1@23.495,67.945 24.257,67.945 26.162,69.85 29.083,69.85 29.845,69.088 29.845,66.814 R54.2@31.495,65.164 34.81,61.849 R56.2@35.434,61.849
NetR58_1: R58.1 R59.2 R60.1 | length 23
  Top Layer w0.508: R58.1@23.495,63.5 24.765,62.23 24.765,58.166 26.797,56.134 28.956,56.134 29.845,57.023 29.845,60.332 R60.1@31.495,61.982 34.676,58.801 R59.2@35.434,58.801
NetR59_1: R59.1 R61.1 U3.3 | length 18.5
  Top Layer w0.508: R61.1@31.495,58.801 31.495,57.786 32.766,56.515 37.592,56.515 38.989,57.912 R59.1@38.989,58.801 ; R59.1@38.734,58.801 R59.1@38.989,58.801 ; U3.3@43.27,63.5 41.402,63.5 40.767,62.865 40.767,60.198 39.37,58.801 R59.1@38.989,58.801
NetR63_1: R63.1 U6.1 | length 14.8
  Top Layer w0.508: U6.1@45.54,76.73 44.428,76.73 43.561,77.597 43.561,80.264 44.577,81.28 44.577,83.261 44.069,83.769 44.069,86.995 45.074,88 R63.1@46.08,88
NetU3_6: U3.6 U3.7 | length 1.3
  Top Layer w0.508: U3.7@43.27,58.42 U3.6@43.27,59.69
NetU3_8: U3.8 U3.9 | length 1.3
  Top Layer w0.508: U3.8@48.17,58.42 U3.9@48.17,59.69
NetU3_13: U3.13 U3.14 | length 1.3
  Top Layer w0.508: U3.13@48.17,64.77 U3.14@48.17,66.04
PGM: P1.6 U2.24 | length 7.4
  Top Layer w0.508: P1.6@52.959,54.229 54.483,54.229 55.88,52.832 U2.24@55.88,48.923
RL_BAT: R68.2 U2.17 | length 24.8
  Top Layer w0.508: U2.17@64.77,48.923 64.77,60.404 67.641,63.276 67.641,66.849 69.372,68.58 70.612,68.58 71.373,69.341 R68.2@71.373,70.231
RL_BAT2: R67.1 U2.16 | length 11.2
  Top Layer w0.508: U2.16@66.04,48.923 66.04,57.276 R67.1@68.073,59.309
RL_DG: R66.2 U2.18 | length 48
  Top Layer w0.508: v1(62.357,72.263) 63.378,72.263 68.012,76.897 R66.2@68.073,76.897 ; U2.18@63.5,48.923 63.5,47.396 64.287,46.609 69.215,46.609 71.247,48.641 v1(71.247,53.721)
  Bottom Layer w0.508: v1(62.357,72.263) 61.76,71.666 61.76,63.213 64.597,60.376 68.275,60.376 71.247,57.404 v1(71.247,53.721)
RL_MAINS: R65.2 U2.13 | length 77
  Top Layer w0.508: v1(61.722,82.55) 61.735,82.563 61.735,88.804 63.241,90.311 66.308,90.311 67.818,91.821 R65.2@68.073,91.821 ; U2.13@66.04,39.723 66.04,37.973 66.827,37.186 73.762,37.186 73.914,37.338 v1(73.914,37.465)
  Bottom Layer w0.508: v1(61.722,82.55) 60.325,81.153 60.325,62.916 64.872,58.369 67.864,58.369 69.634,56.599 69.634,45.199 73.914,40.919 v1(73.914,37.465)